# Altium PCB H3_PCB.PcbDoc (part 2 of 4)
Units mil, origin at the board's own origin, x right, y up, seen from the top; angles counter-clockwise.
Board outline 3705.03 x 2350.03 mil, 4 copper layers (Top Layer, PWR, GND, Bottom Layer), stack 30.634 mil thick; 137 components, 144 nets, 1001 pads, 675 vias.
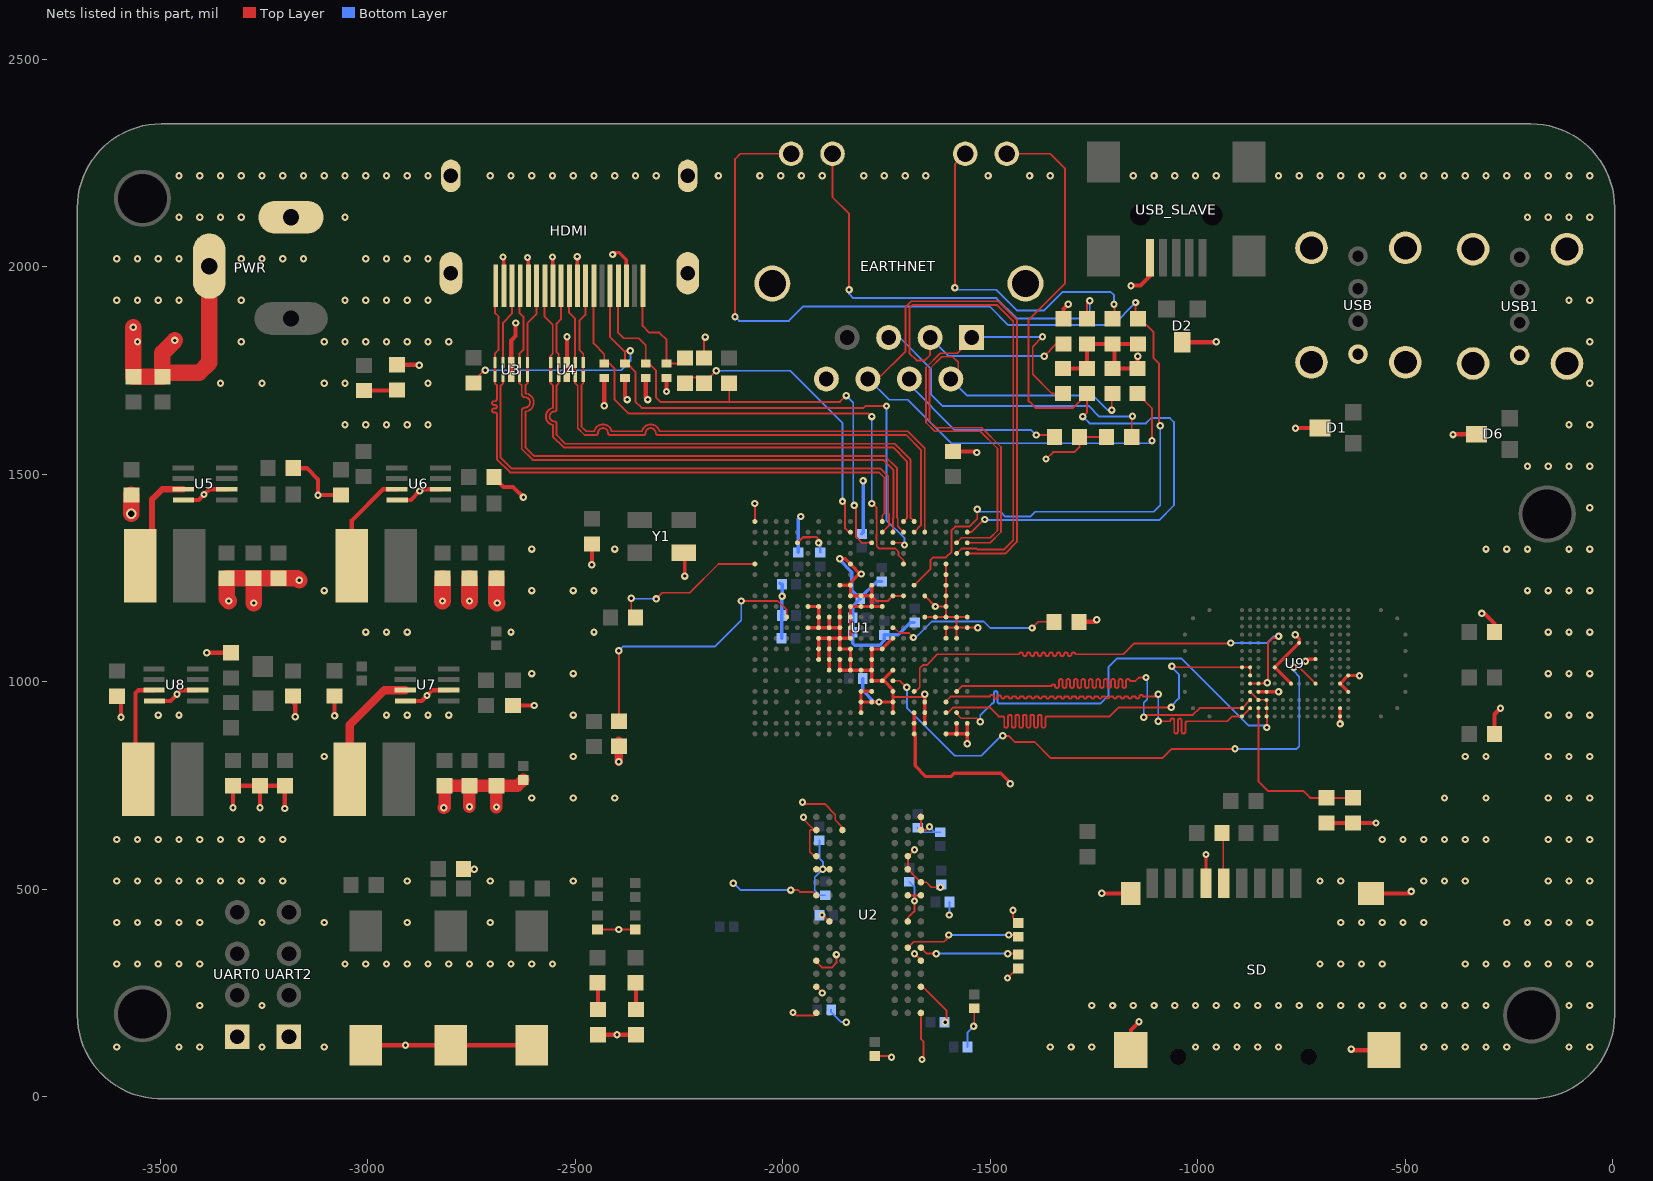
[diagram p4: the nets of this part, all layers, seen from the top]

## Via types
v1: diameter 17.72, hole 7.87, Top Layer to Bottom Layer, 671 vias
v2: diameter 25.59, hole 15.75, Top Layer to Bottom Layer, 4 vias

## Nets (pads, with @x,y where several pads share a name; then routed paths per layer and width w, separated by ;. In a path a pad name is that pad's centre, name@x,y a point inside that pad or via, vN(x,y) a via of type N, cw(c..) or ccw(c..) an arc to the next point about the centre after c; other vN are vias at no path point) (continued)
EMMC_DAT3: U1.C18 U9.H1 U9.J2 | length 1060.9
  Top Layer w3.5: U9.H1@-893,917 U9.J2@-873.3,936.7
  Top Layer w4.5: U1.C18@-1606.46,951.46 -1606.46,953.54 -1595.61,964.39 -1505,964.39 -1500.5,964.39 cw(c-1496.34,964.39) -1496.34,968.55 -1495.66,968.55 cw(c-1495.66,964.39) -1491.5,964.39 ccw(c-1487.07,964.39) -1487.07,959.96 -1486.93,959.96 ccw(c-1486.93,964.39) -1482.5,964.39 cw(c-1479.58,964.39) -1479.58,967.31 -1476.42,967.31 cw(c-1476.42,964.39) -1473.5,964.39 ccw(c-1469.07,964.39) -1469.07,959.96 -1468.93,959.96 ccw(c-1468.93,964.39) -1464.5,964.39 -1455.5,964.39 ccw(c-1451.07,964.39) -1451.07,959.96 -1450.93,959.96 ccw(c-1450.93,964.39) -1446.5,964.39 -1437.5,964.39 ccw(c-1433.07,964.39) -1433.07,959.96 -1432.93,959.96 ccw(c-1432.93,964.39) -1428.5,964.39 -1419.5,964.39 ccw(c-1415.07,964.39) -1415.07,959.96 -1414.93,959.96 ccw(c-1414.93,964.39) -1410.5,964.39 -1401.5,964.39 ccw(c-1397.07,964.39) -1397.07,959.96 -1396.93,959.96 ccw(c-1396.93,964.39) -1392.5,964.39 -1383.5,964.39 ccw(c-1379.07,964.39) -1379.07,959.96 -1378.93,959.96 ccw(c-1378.93,964.39) -1374.5,964.39 -1365.5,964.39 ccw(c-1361.07,964.39) -1361.07,959.96 -1360.93,959.96 ccw(c-1360.93,964.39) -1356.5,964.39 -1347.5,964.39 ccw(c-1343.07,964.39) -1343.07,959.96 -1342.93,959.96 ccw(c-1342.93,964.39) -1338.5,964.39 -1329.5,964.39 ccw(c-1325.07,964.39) -1325.07,959.96 -1324.93,959.96 ccw(c-1324.93,964.39) -1320.5,964.39 -1311.5,964.39 ccw(c-1307.07,964.39) -1307.07,959.96 -1306.93,959.96 ccw(c-1306.93,964.39) -1302.5,964.39 -1293.5,964.39 ccw(c-1289.07,964.39) -1289.07,959.96 -1288.93,959.96 ccw(c-1288.93,964.39) -1284.5,964.39 -1275.5,964.39 ccw(c-1271.07,964.39) -1271.07,959.96 -1270.93,959.96 ccw(c-1270.93,964.39) -1266.5,964.39 -1257.5,964.39 ccw(c-1253.07,964.39) -1253.07,959.96 -1252.93,959.96 ccw(c-1252.93,964.39) -1248.5,964.39 -1239.5,964.39 ccw(c-1235.07,964.39) -1235.07,959.96 -1234.93,959.96 ccw(c-1234.93,964.39) -1230.5,964.39 -1221.5,964.39 ccw(c-1217.07,964.39) -1217.07,959.96 -1216.93,959.96 ccw(c-1216.93,964.39) -1212.5,964.39 -1203.5,964.39 ccw(c-1199.07,964.39) -1199.07,959.96 -1198.93,959.96 ccw(c-1198.93,964.39) -1194.5,964.39 -1185.5,964.39 ccw(c-1181.07,964.39) -1181.07,959.96 -1180.93,959.96 ccw(c-1180.93,964.39) -1176.5,964.39 -1167.5,964.39 ccw(c-1163.07,964.39) -1163.07,959.96 -1162.93,959.96 ccw(c-1162.93,964.39) -1158.5,964.39 -1149.5,964.39 ccw(c-1145.07,964.39) -1145.07,959.96 -1144.93,959.96 ccw(c-1144.93,964.39) -1140.5,964.39 cw(c-1136.34,964.39) -1136.34,968.55 -1135.66,968.55 cw(c-1135.66,964.39) -1131.5,964.39 -1130,964.39 -1100.61,964.39 v1(-1095,970) ; v1(-1095,905) -1070,905 -1068.13,905 ccw(c-1068.13,907.63) -1065.5,907.63 cw(c-1061,907.63) -1061,912.13 cw(c-1061,907.63) -1056.5,907.63 -1056.5,905 -1056.5,880.05 ccw(c-1052,880.05) -1052,875.55 ccw(c-1052,880.05) -1047.5,880.05 -1047.5,905 -1047.5,907.08 cw(c-1043,907.08) -1043,911.58 cw(c-1043,907.08) -1038.5,907.08 -1038.5,905 -1038.5,880.05 ccw(c-1034,880.05) -1034,875.55 ccw(c-1034,880.05) -1029.5,880.05 -1029.5,900.5 cw(c-1025,900.5) -1025,905 -975,905 -928.9,905 -916.9,917 U9.H1@-893,917
  Bottom Layer w4.5: v1(-1095,905) v1(-1095,970)
EMMC_DAT4: U1.B17 U9.H2 U9.J3 | length 1181.7
  Top Layer w3.5: U9.H2@-893,936.7 U9.J3@-873.3,956.4
  Top Layer w4.5: U1.B17@-1580.87,977.05 -1568.22,989.71 -1356.9,989.71 -1352.4,989.71 cw(c-1348.35,989.71) -1348.35,993.76 -1347.46,993.76 cw(c-1347.46,989.71) -1343.4,989.71 ccw(c-1339.25,989.71) -1339.25,985.55 -1338.56,985.55 ccw(c-1338.56,989.71) -1334.4,989.71 -1334.4,1002.3 cw(c-1329.9,1002.3) -1329.9,1006.8 cw(c-1329.9,1002.3) -1325.4,1002.3 -1325.4,989.71 ccw(c-1321.25,989.71) -1321.25,985.55 -1320.56,985.55 ccw(c-1320.56,989.71) -1316.4,989.71 -1316.4,1002.3 cw(c-1311.9,1002.3) -1311.9,1006.8 cw(c-1311.9,1002.3) -1307.4,1002.3 -1307.4,989.71 ccw(c-1303.25,989.71) -1303.25,985.55 -1302.56,985.55 ccw(c-1302.56,989.71) -1298.4,989.71 -1298.4,1002.3 cw(c-1293.9,1002.3) -1293.9,1006.8 cw(c-1293.9,1002.3) -1289.4,1002.3 -1289.4,989.71 ccw(c-1285.25,989.71) -1285.25,985.55 -1284.56,985.55 ccw(c-1284.56,989.71) -1280.4,989.71 -1280.4,1002.3 cw(c-1275.9,1002.3) -1275.9,1006.8 cw(c-1275.9,1002.3) -1271.4,1002.3 -1271.4,989.71 ccw(c-1267.25,989.71) -1267.25,985.55 -1266.56,985.55 ccw(c-1266.56,989.71) -1262.4,989.71 -1262.4,1002.3 cw(c-1257.9,1002.3) -1257.9,1006.8 cw(c-1257.9,1002.3) -1253.4,1002.3 -1253.4,989.71 ccw(c-1249.25,989.71) -1249.25,985.55 -1248.56,985.55 ccw(c-1248.56,989.71) -1244.4,989.71 -1244.4,1002.3 cw(c-1239.9,1002.3) -1239.9,1006.8 cw(c-1239.9,1002.3) -1235.4,1002.3 -1235.4,989.71 ccw(c-1231.25,989.71) -1231.25,985.55 -1230.56,985.55 ccw(c-1230.56,989.71) -1226.4,989.71 -1226.4,1002.3 cw(c-1221.9,1002.3) -1221.9,1006.8 cw(c-1221.9,1002.3) -1217.4,1002.3 -1217.4,989.71 ccw(c-1213.25,989.71) -1213.25,985.55 -1212.56,985.55 ccw(c-1212.56,989.71) -1208.4,989.71 -1208.4,1002.3 cw(c-1203.9,1002.3) -1203.9,1006.8 cw(c-1203.9,1002.3) -1199.4,1002.3 -1199.4,989.71 ccw(c-1195.25,989.71) -1195.25,985.55 -1194.56,985.55 ccw(c-1194.56,989.71) -1190.4,989.71 -1190.4,1002.3 cw(c-1185.9,1002.3) -1185.9,1006.8 cw(c-1185.9,1002.3) -1181.4,1002.3 -1181.4,989.71 ccw(c-1177.25,989.71) -1177.25,985.55 -1176.56,985.55 ccw(c-1176.56,989.71) -1172.4,989.71 -1172.4,1002.3 cw(c-1167.9,1002.3) -1167.9,1006.8 cw(c-1167.9,1002.3) -1163.4,1002.3 -1149.75,1002.3 -1141.59,1010.45 v1(-1124.5,1010.45) ; v1(-1130,915) -1124.37,920.63 -1011.4,920.63 -995.33,936.7 U9.H2@-893,936.7
  Bottom Layer w4.5: v1(-1130,915) -1130,950 -1121.5,958.5 -1121.5,1007.45 v1(-1124.5,1010.45)
EMMC_DAT5: U1.B19 U9.J4 U9.K3 U9.L1 U9.L2 U9.L3 | length 1106.4
  Top Layer w3.5: U9.J4@-873.3,976.1 U9.K3@-853.6,956.4 U9.L3@-833.9,956.4 U9.L2@-833.9,936.7 U9.L1@-833.9,917
  Top Layer w4.5: U1.B19@-1580.87,925.87 -1580.87,923 -1570.31,912.44 -1550.24,912.44 -1550.2,912.4 -1532.69,912.4 v1(-1524,903.71) ; U9.L1@-833.9,917 -833.25,916.35 v1(-833.25,890)
  Bottom Layer w4.5: v1(-1524,903.71) -1524,919.39 -1495.66,947.73 ccw(c-1495.66,952.23) -1491.16,952.23 -1491.16,973.23 cw(c-1486.66,973.23) -1486.66,977.73 cw(c-1486.66,973.23) -1482.16,973.23 -1482.16,952.23 ccw(c-1477.66,952.23) -1477.66,947.73 -1304.5,947.73 -1234.44,947.73 -1215,967.17 -1215,1035 -1193.2,1056.8 -1039.44,1056.8 -877.64,895 -838.25,895 v1(-833.25,890)
EMMC_DAT6: U1.F17 U9.J5 U9.K5 | length 1208.4
  Top Layer w4.5: U1.F17@-1683.23,977.05 -1679.83,977.05 -1669.89,986.99 -1669.89,1033.17 -1662.67,1040.39 -1653.35,1040.39 -1627.26,1066.48 -1430,1066.48 cw(c-1425.5,1066.48) -1421,1066.48 ccw(c-1416.5,1066.48) -1412,1066.48 cw(c-1407.5,1066.48) -1403,1066.48 ccw(c-1398.5,1066.48) -1394,1066.48 cw(c-1389.5,1066.48) -1385,1066.48 ccw(c-1380.5,1066.48) -1376,1066.48 cw(c-1371.5,1066.48) -1367,1066.48 ccw(c-1362.5,1066.48) -1358,1066.48 cw(c-1353.5,1066.48) -1349,1066.48 ccw(c-1344.5,1066.48) -1340,1066.48 cw(c-1335.5,1066.48) -1331,1066.48 ccw(c-1326.5,1066.48) -1322,1066.48 cw(c-1317.5,1066.48) -1313,1066.48 ccw(c-1308.5,1066.48) -1304,1066.48 cw(c-1299.5,1066.48) -1295,1066.48 -1286,1066.48 -1277,1066.48 -1268,1066.48 -1259,1066.48 -1250,1066.48 -1241,1066.48 -1235,1066.48 -1179.55,1066.48 -1153.68,1092.35 -921.4,1092.35 v1(-920,1093.75) ; U9.J5@-873.3,995.8 U9.K5@-853.6,995.8 -834.2,995.8 v1(-832,998) -830,1000 -830,1094.17 -818.82,1105.35 -809.49,1105.35 v1(-804.86,1109.98)
  Bottom Layer w4.5: v1(-920,1093.75) -833.25,1093.75 -817.02,1109.98 v1(-804.86,1109.98)
EMMC_DAT7: U1.C19 U9.H7 U9.J6 U9.J7 | length 1213
  Top Layer w3.5: U9.H7@-893,1035.2 U9.J7@-873.3,1035.2 U9.J6@-873.3,1015.5
  Top Layer w4.5: U1.C19@-1606.46,925.87 -1602.2,925.87 -1589.55,938.53 -1501.2,938.53 -1479.58,916.9 -1475.08,916.9 -1470.58,916.9 cw(c-1470.58,912.4) -1466.08,912.4 -1466.08,893.84 ccw(c-1461.58,893.84) -1461.58,889.34 ccw(c-1461.58,893.84) -1457.08,893.84 -1457.08,916.9 cw(c-1453.67,916.9) -1453.67,920.31 -1451.49,920.31 cw(c-1451.49,916.9) -1448.08,916.9 -1448.08,893.84 ccw(c-1443.58,893.84) -1443.58,889.34 ccw(c-1443.58,893.84) -1439.08,893.84 -1439.08,916.9 cw(c-1435.67,916.9) -1435.67,920.31 -1433.49,920.31 cw(c-1433.49,916.9) -1430.08,916.9 -1430.08,893.84 ccw(c-1425.58,893.84) -1425.58,889.34 ccw(c-1425.58,893.84) -1421.08,893.84 -1421.08,916.9 cw(c-1417.67,916.9) -1417.67,920.31 -1415.49,920.31 cw(c-1415.49,916.9) -1412.08,916.9 -1412.08,893.84 ccw(c-1407.58,893.84) -1407.58,889.34 ccw(c-1407.58,893.84) -1403.08,893.84 -1403.08,916.9 cw(c-1399.67,916.9) -1399.67,920.31 -1397.49,920.31 cw(c-1397.49,916.9) -1394.08,916.9 -1394.08,893.84 ccw(c-1389.58,893.84) -1389.58,889.34 ccw(c-1389.58,893.84) -1385.08,893.84 -1385.08,916.9 cw(c-1381.67,916.9) -1381.67,920.31 -1379.49,920.31 cw(c-1379.49,916.9) -1376.08,916.9 -1376.08,893.84 ccw(c-1371.58,893.84) -1371.58,889.34 ccw(c-1371.58,893.84) -1367.08,893.84 -1367.08,912.4 cw(c-1362.58,912.4) -1362.58,916.9 -1250,916.9 -1212.13,916.9 -1190.51,938.53 v1(-1063.53,938.53) ; v1(-1062,1038) -1059.2,1035.2 U9.H7@-893,1035.2
  Bottom Layer w4.5: v1(-1063.53,938.53) -1063.53,941.47 -1045,960 -1045,1018.15 -1062,1035.15 v1(-1062,1038)
EMMC_RST: U1.H16 U9.U5 | length 1401.8
  Top Layer w4.5: U1.H16@-1734.41,1002.64 -1717.64,1002.64 -1701.99,986.99 v1(-1700.91,986.99) ; v1(-1470,870) -1455.31,870 -1440.4,855.09 -1392.59,855.09 -1354,816.5 -1085,816.5 -1062.95,838.55 v1(-910,838.55) ; v1(-768.6,1035.2) -755.2,1035.2 U9.U5@-715.8,995.8
  Bottom Layer w4.5: v1(-1700.91,986.99) -1700.91,938.11 -1585,822.2 -1585,822 -1521.64,822 -1473.64,870 v1(-1470,870) ; v1(-910,838.55) -761.45,838.55 -755,845 -755,1012.73 -768.6,1026.32 v1(-768.6,1035.2)
EMMC_VDDI: C50.1 C51.1 U9.K1 U9.K2 | length 421.4
  Top Layer w4.5: U9.K2@-853.6,936.7 U9.K1@-853.6,917 -853.6,760.42 -830.48,737.3 -745.56,737.3 -728.84,720.58 C50.1@-690,720.58 C51.1@-625,720.58
EPHY_LNK_LED: C27.1 EARTHNET.12 U1.F7 | length 2816.8
  Top Layer w4.5: v1(-2115,1880) -2115,2260 -2102.09,2272.91 EARTHNET.12@-1979.84,2272.91 ; U1.F7@-1683.23,1232.95 -1644.21,1271.98 -1644.21,1292.88 -1637.09,1300 -1606.87,1300 -1593.03,1313.84 -1593.03,1340.35 ; -1593.02,1340.35 -1593.02,1365.94 -1584.61,1374.35 -1550.23,1374.35 -1543.11,1381.47 -1543.11,1381.66 -1531.1,1393.67 v1(-1531.1,1416.1) ; v1(-1149.5,1914.45) -1150,1913.95 -1150,1861.73 -1124.84,1861.73 -1106.21,1843.1 -1106.21,1780 -1092.71,1766.5 v1@-1092.71,1617
  Bottom Layer w4.5: v1(-2115,1880) -2105,1870 -1985,1870 -1950,1905 -1501.66,1905 -1456.66,1860 -1203.95,1860 v1(-1149.5,1914.45) ; v1(-1531.1,1416.1) -1525,1410 -1475,1410 -1463.5,1398.5 -1403,1398.5 -1391.5,1410 -1106,1410 -1090,1426 v1(-1090,1617)
EPHY_RX_N: C22.1 EARTHNET.6 U1.A4 | length 2064.2
  Top Layer w4.5: EARTHNET.6@-1794.8,1730 -1770.85,1730 -1703.8,1797.05 -1703.8,1903.73 -1690.03,1917.5 -1480.58,1917.5 -1435.5,1872.42 -1435.5,1337.26 -1463.03,1309.72 U1.A4@-1555.27,1309.72 ; C22.1@-1145.07,1694.69 -1110,1659.62 v1(-1110,1581)
  Bottom Layer w4.5: EARTHNET.6@-1794.8,1730 -1793.63,1730 -1743.63,1680 -1699,1680 -1594,1575 -1116,1575 v1(-1110,1581)
EPHY_RX_P: C21.1 EARTHNET.3 U1.B4 | length 1514
  Top Layer w4.5: EARTHNET.3@-1644.8,1830 -1644.8,1787.84 -1657.64,1775 -1677.27,1775 -1694.8,1792.53 -1694.8,1900 -1686.3,1908.5 -1484.31,1908.5 -1444.5,1868.69 -1444.5,1340.98 -1466.12,1319.36 -1530.46,1319.36 -1532.98,1321.88 -1567.94,1321.88 -1580.09,1309.72 U1.B4@-1580.87,1309.72 ; v1(-1370,1785) -1340.31,1814.69 C21.1@-1323.34,1814.69
  Bottom Layer w4.5: EARTHNET.3@-1644.8,1830 -1599.8,1785 v1(-1370,1785)
EPHY_SPD_LED: C26.1 EARTHNET.9 U1.A2 | length 1937.8
  Top Layer w4.5: U1.A2@-1555.27,1360.9 -1545.39,1360.9 -1515,1391.29 v1(-1513.11,1391.29) ; EARTHNET.9@-1460.16,2272.91 -1355,2272.91 -1320,2237.91 -1320,1960.07 -1407.58,1872.49 -1407.58,1675 -1405,1675 -1390,1660 -1301.19,1660 C26.1@-1266.5,1694.69 -1266.5,1649.91 v1(-1277,1639.41)
  Bottom Layer w4.5: v1(-1513.11,1391.29) -1511.82,1390 -1093,1390 -1057,1426 -1057,1626 -1067,1636 -1111.41,1636 -1124.52,1622.89 -1260.48,1622.89 v1(-1277,1639.41)
EPHY_TX_N: C24.1 EARTHNET.2 U1.A3 | length 1214.2
  Top Layer w4: EARTHNET.2@-1594.8,1730 -1577.04,1747.77 -1577.04,1770 -1590.75,1783.72 -1616.65,1783.72 -1646.16,1754.2 -1646.16,1628.77 -1629.89,1612.5 -1520.48,1612.5 -1474,1566.02 -1474,1361.19 -1499.88,1335.31 U1.A3@-1555.27,1335.31
  Top Layer w4.5: v1(-1207,1655) -1207,1692.69 C24.1@-1205,1694.69
  Bottom Layer w4.5: EARTHNET.2@-1594.8,1730 -1594.71,1730 -1554.71,1690 -1251.17,1690 -1216.17,1655 v1(-1207,1655)
EPHY_TX_P: C23.1 EARTHNET.1 U1.B3 | length 1145.2
  Top Layer w4: U1.B3@-1580.87,1335.31 -1568.97,1347.22 -1500,1347.22 -1482.5,1364.72 -1482.5,1562.5 -1524,1604 -1633.41,1604 -1654.66,1625.25 -1654.66,1757.72 -1620.17,1792.22 -1579.13,1792.22 -1544.8,1826.54 EARTHNET.1@-1544.8,1830
  Top Layer w4.5: v1(-1374,1831.65) -1397.49,1808.16 -1397.49,1741.18 -1351,1694.69 C23.1@-1324,1694.69
  Bottom Layer w4.5: EARTHNET.1@-1544.8,1830 -1543.15,1831.65 v1(-1374,1831.65)
GND: C1.1 C3.1 C4.1 C5.1 C6.1 C7.1 C8.1 C9.1 C10.1 C11.1 C12.1 C13.1 C14.1 C15.1 C16.1 C17.1 C18.2 C19.1 C20.1 C21.2 C22.2 C23.2 C24.2 C25.1 C26.2 C27.2 C28.1 C29.1 C30.1 C31.1 C32.1 C33.1 C34.1 C35.1 C36.1 C37.1 C38.1 C39.1 C40.1 C41.1 C42.1 C43.1 C44.1 C45.1 C46.1 C47.1 C48.1 C49.1 C50.2 C51.2 C52.1 C53.1 C54.1 C55.1 C56.1 C57.1 C58.1 C59.1 C60.1 C61.1 D1.3 D2.3 D3.K D4.K D5.K D6.3 EARTHNET.8 EARTHNET.13 EARTHNET.14 ESD1.2 ESD2.2 ESD3.2 ESD4.2 HDMI.2 HDMI.5 HDMI.8 HDMI.11 HDMI.17 HDMI.20 HDMI.21 HDMI.22 HDMI.23 PWR.2 PWR.3 R1.1 R2.1 R4.2 R6.1 R13.2 R14.2 R16.2 R19.1 R26.2 R27.2 R31.2 R32.2 R34.2 R35.2 RCOV.2 RST.2 SD.6 SD.10 U1.A10 U1.A11 U1.A20 U1.A21 U1.AA1 U1.B10 U1.B11 U1.B12 U1.B20 U1.B21 U1.C5 U1.C6 U1.C7 U1.C8 U1.C9 U1.C10 U1.C11 U1.C12 U1.C21 U1.D10 U1.E8 U1.E10 U1.E18 U1.E19 U1.E20 U1.F19 U1.F20 U1.F21 U1.G8 U1.H8 U1.H12 U1.H15 U1.H17 U1.H18 U1.H19 U1.J9 U1.J13 U1.J16 U1.K7 U1.K8 U1.K9 U1.K13 U1.K14 U1.K15 U1.K16 U1.K17 U1.K18 U1.L8 U1.L9 U1.L15 U1.L17 U1.L18 U1.L19 U1.M5 U1.M7 U1.M8 U1.M9 U1.M10 U1.M11 U1.M12 U1.M13 U1.M14 U1.M15 U1.N7 U1.N9 U1.N10 U1.N11 U1.N12 U1.N13 U1.N14 U1.N15 U1.P10 U1.P11 U1.P12 U1.P13 U1.P14 U1.P15 U1.R9 U1.R10 U1.R11 U1.R12 U1.R13 U1.R14 U1.T9 U1.T11 U1.U3 U2.A9 U2.B1 U2.B3 U2.B9 U2.D1 U2.D8 U2.E1 U2.E2 U2.E8 U2.F9 U2.G1 U2.G8 U2.G9 U2.J2 U2.J8 U2.M1 U2.M9 U2.P1 U2.P9 U2.T1 U2.T9 U3.3 U3.8 U4.3 U4.8 U5.4 U5.6 U6.4 U6.6 U7.4 U7.6 U8.4 U8.6 U9.AA4 U9.AA6 U9.K4 U9.L4 U9.M7 U9.P5 U9.R10 U9.U8 U9.Y1 U9.Y2 U9.Y5 UART0.1 UART2.1 UBOOT.2 USB1.4 USB1.5 USB1.6 USB1.7 USB1.8 USB.4 USB.5 USB.6 USB.7 USB.8 USB_SLAVE.5 Y1.2 | length 12160.6
  Top Layer w4.5: R4.2@-2446.52,403.27 v1(-2395,403.27) C5.1@-2355,403.27 ; R19.1@-2190,1780.31 -2190,1828 v1(-2187,1831) ; v1(-1980.68,498.18) -1962.67,498.18 -1958.37,493.88 -1927.35,493.88 U2.G1@-1918.98,485.51 ; v1(-1975.16,203) -1968.38,196.23 -1924.8,196.23 U2.T1@-1918.98,202.05 ; v1(-1952.18,710.11) -1952.18,707 -1951.06,705.88 -1898.9,705.88 -1873.36,680.34 -1873.36,667.11 -1855.98,649.74 U2.B3@-1855.98,642.99 ; -1946.35,665.22 -1924.12,642.99 -1932.94,642.99 -1935,640.93 -1935,590.56 -1924.44,580 U2.D1@-1918.98,580 ; U2.P1@-1918.98,265.04 -1903.94,250 v1(-1905,250) ; U2.M1@-1918.98,328.03 -1918.98,325.57 -1905.4,312 -1881.17,312 -1870.61,322.56 v1(-1870.61,342.73) ; U2.E1@-1918.98,548.5 v1(-1903.23,548.5) U2.E2@-1887.48,548.5 ; v1(-1905.4,438.27) -1905.4,439.22 -1905,439.63 -1887.89,422.52 U2.J2@-1887.48,422.52 ; C1.1@-1778.5,98.27 -1740.65,98.27 v1(-1737.69,95.31) ; -1734.41,963 -1733.79,963.62 -1664.02,963.62 v1(-1657.64,970) ; U2.J8@-1698.5,422.52 -1698.5,431.18 -1682.76,446.92 -1682.76,485.51 ; U2.G8@-1698.5,485.51 -1682.76,485.51 ; v1(-1682.23,345) -1681.46,345 -1667.01,330.55 U2.M9@-1667.01,328.03 ; v1(-1682.27,595.5) -1697.77,580 U2.D8@-1698.5,580 U2.E8@-1698.5,548.5 U2.F9@-1667.01,517.01 -1653.51,517.01 -1641.5,505 v1(-1620,505) ; U2.T9@-1667.01,202.05 -1667.01,140.09 -1660.96,134.04 -1660.96,93.51 v1(-1664.46,90) ; U2.P9@-1667.01,265.04 -1663.02,265.04 -1605,207.02 -1605,183 v1(-1608,180) ; U2.G9@-1667.01,485.51 -1682.76,485.51 ; U2.A9@-1667.01,674.49 U2.B9@-1667.01,642.99 -1653.95,642.99 v1(-1646.16,650.78) ; v1(-1540,170) -1538.27,171.73 C9.1@-1538.27,213.27 ; v1(-1458.34,286.16) -1435.24,309.27 R2.1@-1432.5,309.27 ; v1(-1445,449.81) -1445,431.72 R1.1@-1432.5,419.22 ; v1(-1365.5,1537) -1348.5,1554 -1297.56,1554 -1284.69,1566.88 C61.1@-1284.69,1590 C19.1@-1219.31,1590
  Top Layer w5: U1.AA1@-2067.09,1386.5 v1(-2067.1,1430) ; U1.U3@-1964.36,1335.31 -1951.17,1348.5 -1933.99,1348.5 -1933.74,1348.75 -1918.93,1348.75 -1918.68,1348.5 -1918.5,1348.5 -1913.54,1343.54 v1(-1913.54,1335) ; U1.K8@-1785.59,1207.36 -1773.18,1194.96 -1746.81,1194.96 U1.H8@-1734.41,1207.36 U1.G8@-1708.82,1207.36 ; U1.E8@-1657.64,1207.36 v1(-1632.05,1181.77) U1.C9@-1606.46,1181.77 ; U1.E10@-1655,1158.82 U1.E10@-1657.64,1156.18 U1.D10@-1632.05,1156.18 U1.C10@-1606.46,1156.18 ; U1.C12@-1606.46,1105 U1.C11@-1606.46,1130.59 U1.B11@-1580.87,1130.59 ; U1.C5@-1606.46,1284.13 U1.C7@-1606.46,1232.95 U1.C9@-1606.46,1181.77 ; U1.B12@-1580.87,1105 U1.B11@-1580.87,1130.59 ; U1.A10@-1555.27,1156.18 U1.B10@-1580.87,1156.18 ; v1(-1530,1130.59) U1.B11@-1580.87,1130.59 ; U1.C10@-1606.46,1156.18 U1.C9@-1606.46,1181.77 ; U1.C10@-1606.46,1156.18 U1.B10@-1580.87,1156.18 ; U1.B11@-1580.87,1130.59 U1.B10@-1580.87,1156.18
  Top Layer w6: U1.U3@-1964.72,1335.31 U1.U3@-1964.36,1335.31
  Top Layer w8: C29.1@-2783.27,545 -2746.77,545 v1(-2743.27,548.5) ; v1(-2674,2024) -2672.5,2022.5 HDMI.2@-2672.5,1942.95 ; v1(-2615,2022.64) -2613.4,2021.04 HDMI.5@-2613.4,1942.95 ; v1(-2555,2024) -2554.4,2023.4 HDMI.8@-2554.4,1942.95 ; HDMI.11@-2495.3,1942.95 -2495.3,2024.7 v1(-2495,2025) ; v1(-2410,2030) -2410,2035 -2394.87,2035 -2377.2,2017.33 HDMI.17@-2377.2,1942.95 ; Y1.2@-2238.7,1311.26 -2235.97,1308.53 v1(-2235.97,1255) ; U1.T11@-1939.13,1130.59 U1.R11@-1913.54,1130.59 ; U1.T9@-1939.13,1181.77 U1.R9@-1913.54,1181.77 U1.R10@-1913.54,1156.18 U1.R11@-1913.54,1130.59 ; U1.R14@-1913.54,1053.82 U1.R13@-1913.54,1079.41 U1.R12@-1913.54,1105 U1.P12@-1887.95,1105 ; U1.P15@-1887.95,1028.23 U1.P14@-1887.95,1053.82 U1.P13@-1887.95,1079.41 U1.P12@-1887.95,1105 ; U1.P10@-1887.95,1156.18 U1.P11@-1887.95,1130.59 ; U1.N14@-1862.36,1053.82 U1.N15@-1862.36,1028.23 U1.M15@-1836.77,1028.23 ; U1.N9@-1862.36,1181.77 U1.N10@-1862.36,1156.18 U1.N11@-1862.36,1130.59 ; U1.N7@-1862.36,1232.95 U1.M7@-1836.77,1232.95 U1.M8@-1836.77,1207.36 U1.L8@-1811.18,1207.36 U1.K8@-1785.59,1207.36 ; v1(-1862.36,1296.64) -1849.28,1296.64 U1.M5@-1836.77,1284.13 -1812.64,1260 v1(-1810.61,1260) ; U1.M7@-1839.73,1235.91 v1@-1818.01,1257.64 ; U1.L19@-1811.18,925.87 U1.L17@-1811.18,977.05 U1.K17@-1785.59,977.05 ; U1.L18@-1811.18,951.46 U1.K18@-1785.59,951.46 v1(-1767.93,951.46) U1.H18@-1734.41,951.46 ; U1.K7@-1785.59,1232.95 U1.K8@-1785.59,1207.36 ; U1.J9@-1760,1181.77 U1.K9@-1785.59,1181.77 ; U1.J16@-1755.6,1002.64 -1734.41,981.45 U1.H17@-1734.41,977.05 -1734.41,963 U1.H18@-1734.41,951.46 ; U1.H19@-1734.41,925.87 U1.H18@-1734.41,951.46 ; U1.H15@-1734.41,1028.23 U1.J16@-1760,1002.64 U1.K16@-1785.59,1002.64 U1.K15@-1785.59,1028.23 ; U1.H12@-1734.41,1105 U1.J13@-1760,1079.41 U1.K13@-1785.59,1079.41 U1.K14@-1785.59,1053.82 U1.K15@-1785.59,1028.23 ; U1.F19@-1683.23,925.87 U1.F20@-1683.23,900.28 U1.F21@-1683.23,874.68 -1680.54,871.99 -1680.54,797.54 -1654.96,771.95 -1594.6,771.95 -1586.5,780.05 -1474.44,780.05 -1453.67,759.28 -1453.67,756.37 v1(-1451.49,754.19) ; U1.E20@-1657.64,900.28 U1.E19@-1657.64,925.87 U1.E18@-1657.64,951.46 v1(-1657.64,970) ; U1.C21@-1606.46,874.68 U1.B21@-1580.87,874.68 ; U1.B20@-1580.87,900.28 U1.B21@-1580.87,874.68 ; v1(-1555.27,851.15) U1.A21@-1555.27,874.68 ; U1.A20@-1555.27,900.28 U1.A21@-1555.27,874.68 ; v1(-980,583.99) -979.92,583.91 SD.6@-979.92,515 ; U9.K4@-853.6,976.1 U9.L4@-833.9,976.1 v1(-804.86,976.1) ; U9.P5@-774.8,995.8 U9.M7@-814.2,1035.2 U9.R10@-755.2,1094.2 -755.2,1104.1 v1(-765,1113.9) ; v1(-740,1050) -735.2,1054.8 U9.U8@-715.8,1054.8 ; v1(-656.7,898.77) U9.Y1@-656.7,917 U9.Y2@-656.7,936.7 ; U9.AA4@-637,976.1 U9.Y5@-656.7,995.8 U9.AA6@-637,1015.5 -610.55,1015.5 v1(-610,1014.95) ; U1.R11@-1913.54,1130.59 U1.P11@-1887.95,1130.59 ; U1.P12@-1887.95,1105 U1.N12@-1862.36,1105 ; U1.P11@-1887.95,1130.59 U1.N11@-1862.36,1130.59 ; U1.N12@-1862.36,1105 U1.N13@-1862.36,1079.41 U1.M13@-1836.77,1079.41 U1.M15@-1836.77,1028.23 ; U1.N12@-1862.36,1105 U1.M12@-1836.77,1105 U1.M10@-1836.77,1156.18 U1.M9@-1836.77,1181.77 U1.L9@-1811.18,1181.77 U1.K9@-1785.59,1181.77 ; U1.N12@-1862.36,1105 U1.N11@-1862.36,1130.59 ; U1.M15@-1836.77,1028.23 U1.L15@-1811.18,1028.23 U1.K15@-1785.59,1028.23 ; U1.K9@-1785.59,1181.77 U1.K8@-1785.59,1207.36 ; U1.B21@-1580.87,874.68 U1.A21@-1555.27,874.68
  Top Layer w10: v1(-3595,915) C45.1@-3595,966.09 ; U8.4@-3514,954.33 -3475.67,954.33 v1(-3460,970) -3450,980 U8.6@-3410,980 ; U5.4@-3444,1438.67 -3407.52,1438.67 v1(-3394.68,1451.5) -3381.85,1464.33 U5.6@-3340,1464.33 ; v1(-3388.46,1070) -3388.15,1070.32 R32.2@-3330,1070.32 ; v1(-3325,696.65) C46.1@-3325,749.69 C47.1@-3260,749.69 ; v1(-3260,696.65) C47.1@-3260,749.69 ; v1(-3200,695) C48.1@-3200,749.69 C47.1@-3260,749.69 ; C49.1@-3195,966.09 -3175,946.09 v1(-3175,916) ; R26.2@-3179.68,1515 -3146.73,1515 -3120,1488.27 v1(-3120,1450) -3119.58,1450.42 C37.1@-3065,1450.42 ; v1(-3080,918.27) C41.1@-3080,966.09 ; RCOV.2@-3005,124.41 v1(-2909,124.41) RST.2@-2800,124.41 UBOOT.2@-2605,124.41 ; D5.K@-2930,1764.31 -2877.31,1764.31 v1(-2876,1763) ; U6.4@-2929,1438.67 -2896.33,1438.67 v1(-2875,1460) -2870.67,1464.33 U6.6@-2825,1464.33 ; U7.4@-2909,954.33 -2870,954.33 v1(-2857.17,967.17) -2844.33,980 U7.6@-2805,980 ; R27.2@-2695.94,1493.27 -2672.67,1470 -2650,1470 v1(-2625,1445) ; U3.3@-2654.3,1735.6 U3.8@-2654.3,1770 -2654.3,1823 -2643.74,1833.56 v1(-2643.74,1865) ; R31.2@-2650,943.08 v1(-2599,943.08) ; v1(-2520,1831.65) v1(-2520,1831.65) U4.8@-2519.95,1770 U4.3@-2519.95,1735.6 ; v1(-2460,1282.27) C30.1@-2460,1332.69 ; D3.K@-2445,149.69 v1(-2399.24,149.69) D4.K@-2353.48,149.69 ; v1(-2430,1665.2) ESD4.2@-2430,1732.3 ; ESD3.2@-2380,1732.3 -2380,1685.3 v1(-2375,1680.3) ; ESD2.2@-2330,1732.3 -2330,1685.3 v1(-2325,1680.3) ; v1(-2280,1700) ESD1.2@-2280,1732.3 ; R16.2@-1590,1555.32 -1535.01,1555.32 v1(-1532.69,1553) ; C23.2@-1324,1755.31 C26.2@-1266.5,1755.31 R14.2@-1266.5,1814.68 R13.2@-1205,1814.68 R13.2@-1200,1814.68 ; C21.2@-1323.34,1875.31 -1323.34,1898.56 v1(-1311.9,1910) ; C18.2@-1285.68,1144.89 -1248.11,1144.89 v1(-1243,1150) ; v1(-1231.25,490.31) SD.10@-1161.02,490.31 ; C24.2@-1205,1755.31 C24.2@-1200,1755.31 ; SD.10@-1161.02,112.36 -1161.02,160.95 v1(-1141.33,180.65) ; v1(-1160.66,1955) -1137.65,1955 -1114.6,1978.05 USB_SLAVE.5@-1114.6,2022.64 ; C27.2@-1145.07,1813.7 -1146.06,1814.68 R13.2@-1200,1814.68 ; v1(-1144.08,1784.71) -1145.07,1783.72 C22.2@-1145.07,1755.31 C24.2@-1200,1755.31 ; D2.3@-1037,1818.73 -956.27,1818.73 v1(-955,1820) ; v1(-764,1611) -763.2,1611.8 D1.3@-705,1611.8 ; C50.2@-682.27,660 v1(-570,660) ; v1(-630,115) -627.36,112.36 SD.10@-550.79,112.36 ; SD.10@-582.28,490.31 -485,490.31 v1(-485,495) ; v1(-384.55,1596) -383.55,1597 D6.3@-328,1597 ; v1(-315,1165) -308.82,1165 -284.68,1140.87 R35.2@-284.68,1120 ; R34.2@-284.68,874.68 -284.68,922.02 v1(-270,936.7) ; C24.2@-1200,1755.31 R13.2@-1200,1814.68
  Top Layer w20: v1(-2395,807.21) R6.1@-2395,844.69 R6.1@-2395,858.27
  Top Layer w30: v1(-2816.73,696.65) -2815,698.39 C42.1@-2815,749.69 C43.1@-2755,749.69 ; v1(-2755,698.81) C43.1@-2755,749.69 ; v1(-2690,698.39) C44.1@-2690,749.69 ; C28.1@-2625,763.88 -2639.19,749.69 C44.1@-2690,749.69 ; C43.1@-2755,749.69 C44.1@-2690,749.69
  Top Layer w40: v2(-3570,1405) C33.1@-3570,1450.42 ; v1(-3565,1855) C32.1@-3565,1735.32 C31.1@-3495,1735.32 C31.1@-3495,1745 ; v1(-3465,1823) -3495,1793 C31.1@-3495,1745 ; PWR.3@-3381.85,2001.89 -3381.85,1769.3 -3406.15,1745 C31.1@-3495,1745 ; v1(-3335,1195) -3340,1200 C34.1@-3340,1249.69 C35.1@-3275,1249.69 ; v1(-3275,1190) C35.1@-3275,1249.69 ; v1(-3165,1245) -3169.69,1249.69 C36.1@-3215,1249.69 C35.1@-3275,1249.69 ; v1(-2820,1195) C38.1@-2820,1249.69 ; v1(-2755,1194.96) C39.1@-2755,1249.69 ; C40.1@-2690,1249.69 -2690,1191.73 v1(-2688.27,1190)
  Bottom Layer w4.5: v1(-2119,515) -2117.72,515 -2100.89,498.18 v1(-1980.68,498.18) ; v1@-1953.47,708.82 v1(-1952.18,710.11) ; C16.1@-1911.54,437.39 -1910.66,438.27 v1(-1905.4,438.27) ; C6.1@-1911.54,618.27 -1911.54,574.79 -1903.23,566.48 v1(-1903.23,548.5) -1922.7,529.03 -1922.7,498.18 -1910.15,485.63 C12.1@-1897.37,485.63 ; C15.1@-1883.27,210 -1883.27,204.01 -1859.26,180 v1(-1847,180) ; C8.1@-1695,518.27 -1682.27,505.54 v1(-1682.27,472.07) ; C11.1@-1675,648.27 -1664.46,637.73 -1633.11,637.73 ; v1(-1646.16,650.78) -1633.11,637.73 ; C10.1@-1620,637.73 -1633.11,637.73 ; C4.1@-1610.27,180 v1(-1608,180) ; v1(-1598.73,438.27) -1598.27,438.73 C7.1@-1598.27,469.61 ; C17.1@-1554.54,120 -1554.54,155.46 v1(-1540,170)
  Bottom Layer w5: v1(-1913.54,1335) -1909.62,1331.08 C60.1@-1909.62,1311.73 ; v1@-1864,1295 v1(-1862.36,1296.64)
  Bottom Layer w8: C59.1@-2007.14,1238.27 C59.1@-2002.67,1233.8 ; C14.1@-2002.67,1104.79 v1@-2002.67,1206.2 ; v1(-2001.47,1206.2) C59.1@-2001.47,1235 ; C58.1@-1962.25,1311.73 -1962.25,1392.85 v1(-1956.6,1398.5) ; v1@-1864,1295 -1833.49,1264.49 -1833.49,1220.25 C54.1@-1813.23,1200 ; C52.1@-1809.5,1356.73 -1806.29,1359.94 v1(-1806.29,1485) ; C13.1@-1807.1,1008.27 -1807.1,979.6 -1778.96,951.46 v1(-1767.93,951.46) ; C25.1@-1761.64,1241.81 -1773.88,1241.81 -1813.23,1202.46 C54.1@-1813.23,1200 ; C20.1@-1682.23,1143.27 -1691.73,1143.27 -1721.73,1113.27 C55.1@-1755,1113.27 -1755,1100.39 -1766.74,1088.65 -1827.02,1088.65 -1831.23,1092.86 C56.1@-1831.23,1120 C53.1@-1831.23,1155 -1831.23,1182 C54.1@-1813.23,1200
  other v1: -3605,120 -3455,120 -3405,120 -3255,120 -3105,120 -1355,120 -1305,120 -1255,120 -1005,120 -955,120 -905,120 -855,120 -805,120 -455,120 -405,120 -355,120 -305,120 -255,120 -105,120 -55,120 -3405,220 -3255,220 -1255,220 -1205,220 -1155,220 -1105,220 -1055,220 -1005,220 -955,220 -905,220 -855,220 -805,220 -755,220 -705,220 -655,220 -605,220 -555,220 -505,220 -455,220 -405,220 -355,220 -305,220 -105,220 -55,220 -3605,320 -3555,320 -3505,320 -3455,320 -3405,320 -3055,320 -3005,320 -2955,320 -2905,320 -2855,320 -2805,320 -2755,320 -2705,320 -2655,320 -2605,320 -2555,320 -705,320 -655,320 -605,320 -555,320 -355,320 -305,320 -255,320 -205,320 -155,320 -105,320 -55,320 -3605,420 -3555,420 -3505,420 -3455,420 -3405,420 -3255,420 -3105,420 -2905,420 -2705,420 -655,420 -605,420 -555,420 -505,420 -455,420 -255,420 -205,420 -155,420 -105,420 -55,420 -3605,520 -3555,520 -3505,520 -3455,520 -3405,520 -3355,520 -3305,520 -3255,520 -3205,520 -2905,520 -2705,520 -2505,520 -705,520 -655,520 -455,520 -405,520 -355,520 -155,520 -105,520 -55,520 -3605,620 -3555,620 -3505,620 -3455,620 -3405,620 -3355,620 -3305,620 -3255,620 -3205,620 -555,620 -505,620 -455,620 -405,620 -355,620 -305,620 -155,620 -105,620 -55,620 -1949.96,673.98 -2605,720 -2505,720 -2405,720 -405,720 -305,720 -155,720 -105,720 -55,720 -3105,820 -2505,820 -355,820 -305,820 -155,820 -105,820 -55,820 -3505,920 -3455,920 -2955,920 -2905,920 -2855,920 -2805,920 -2505,920 -155,920 -105,920 -55,920 -2605,1020 -2505,1020 -155,1020 -105,1020 -55,1020 -3005,1120 -2955,1120 -2905,1120 -2655,1120 -2455,1120 -155,1120 -105,1120 -55,1120 -3105,1220 -2605,1220 -2505,1220 -2455,1220 -205,1220 -155,1220 -105,1220 -55,1220 -2605,1320 -2405,1320 -305,1320 -255,1320 -205,1320 -105,1320 -55,1320 -55,1420 -205,1520 -155,1520 -105,1520 -55,1520 -3055,1620 -3005,1620 -2955,1620 -2905,1620 -2855,1620 -105,1620 -55,1620 -3355,1720 -3255,1720 -3105,1720 -3055,1720 -2855,1720 -55,1720 -3555,1820 -3305,1820 -3105,1820 -3055,1820 -3005,1820 -2955,1820 -2905,1820 -2855,1820 -2805,1820 -55,1820 -3605,1920 -3555,1920 -3505,1920 -3455,1920 -3305,1920 -3055,1920 -3005,1920 -2955,1920 -2905,1920 -2855,1920 -105,1920 -55,1920 -3605,2020 -3555,2020 -3505,2020 -3455,2020 -3305,2020 -3255,2020 -3205,2020 -3155,2020 -3005,2020 -2955,2020 -2905,2020 -2855,2020 -3455,2120 -3405,2120 -3355,2120 -3305,2120 -3055,2120 -205,2120 -155,2120 -105,2120 -55,2120 -3455,2220 -3405,2220 -3355,2220 -3305,2220 -3255,2220 -3205,2220 -3155,2220 -3105,2220 -3055,2220 -3005,2220 -2955,2220 -2905,2220 -2855,2220 -2705,2220 -2655,2220 -2605,2220 -2555,2220 -2505,2220 -2455,2220 -2405,2220 -2355,2220 -2305,2220 -2155,2220 -2055,2220 -2005,2220 -1955,2220 -1905,2220 -1805,2220 -1755,2220 -1705,2220 -1655,2220 -1505,2220 -1405,2220 -1355,2220 -1155,2220 -1105,2220 -1055,2220 -1005,2220 -955,2220 -805,2220 -755,2220 -705,2220 -655,2220 -605,2220 -555,2220 -505,2220 -455,2220 -405,2220 -355,2220 -305,2220 -255,2220 -205,2220 -155,2220 -105,2220 -55,2220
HCEC: ESD4.1 HDMI.13 U1.G5 | length 1338.4
  Top Layer w4.5: HDMI.13@-2455.9,1942.95 -2455.9,1815.9 -2430,1790 ESD4.1@-2430,1767.7 -2417.7,1767.7 -2405,1755 -2405,1680.1 -2371.4,1646.5 -1792.68,1646.5 v1(-1785.59,1639.41) ; v1(-1785.59,1430) -1783.97,1430 -1773.75,1419.79 -1773.75,1392.17 -1773.44,1391.85 -1773.44,1355.87 -1773.75,1355.55 -1773.75,1340.98 -1773.43,1340.66 -1773.43,1327.21 -1768.1,1321.88 -1733.53,1321.88 ; -1733.52,1321.88 -1729.38,1321.88 -1720.97,1313.47 -1720.97,1304.69 -1708.82,1292.53 U1.G5@-1708.82,1284.13
  Bottom Layer w4.5: v1(-1785.59,1430) v1(-1785.59,1639.41)
HHPD: R18.1 R19.2 U1.M2 | length 711.6
  Top Layer w4.5: R18.1@-2235,1733.27 -2176.73,1733.27 v1(-2160,1750) ; v1(-1856,1435) -1849.81,1428.81 -1849.81,1369.77 -1840.94,1360.9 U1.M2@-1836.77,1360.9
  Bottom Layer w4.5: v1(-2160,1750) -1982,1750 -1856,1624 v1(-1856,1435)
HSCL: ESD3.1 HDMI.15 R39.2 U1.H3 | length 1733.7
  Top Layer w4.5: R39.2@-2745,1720.68 -2745,1725 -2718.94,1751.06 v1(-2716.73,1751.06) ; HDMI.15@-2416.6,1942.95 -2416.6,1831.6 -2380,1795 ; v1(-2367.37,1798.37) -2376.63,1798.37 -2380,1795 ; v1(-1750,1665) -1800.22,1665 -1804.95,1660.27 -2340.27,1660.27 -2355,1675 -2355,1747.5 -2375.2,1767.7 ESD3.1@-2380,1767.7 -2380,1795 ; U1.H3@-1734.41,1335.31 -1711.78,1335.31 v1@-1706.84,1330.38
  Bottom Layer w4.5: v1(-2716.73,1751.06) -2389.41,1751.06 -2367,1773.47 -2367,1798.37 v1(-2367.37,1798.37) ; v1(-1750,1665) -1750,1390 -1706.47,1346.47 v1(-1706.47,1330)
HSDA: ESD2.1 HDMI.16 R38.2 U1.K3 | length 1228
  Top Layer w4.5: HDMI.16@-2396.9,1942.95 -2396.9,1841.9 -2383.27,1828.27 -2347.37,1828.27 -2330,1810.9 ESD2.1@-2330,1767.7 -2322.7,1767.7 -2305,1750 -2305,1685 -2294.69,1674.69 -2129,1674.69 ; R38.2@-2129,1719.68 -2129,1674.69 ; v1(-1847,1690) -1862.31,1674.69 -2129,1674.69 ; v1(-1827.77,1425.32) -1823.33,1420.88 -1823.33,1349.44 -1809.21,1335.31 U1.K3@-1785.59,1335.31
  Bottom Layer w4.5: v1(-1847,1690) -1830,1673 v1@-1830,1425.32
HTX0_N: HDMI.9 U1.F1 U4.2 U4.9 | length 1406.1
  Top Layer w4.5: HDMI.9@-2534.7,1942.95 -2534.7,1873.78 -2545,1863.48 -2545,1795 -2539.65,1789.65 U4.9@-2539.65,1770 U4.2@-2539.65,1735.6 -2539.65,1720.05 -2545,1714.7 -2545,1700.62 -2545,1656.5 cw(c-2549.5,1656.5) -2549.5,1652 ccw(c-2549.5,1639.75) -2549.5,1627.5 cw(c-2549.5,1623) -2545,1623 -2545,1595 -2524,1574 -1730.38,1574 -1691.91,1535.54 -1691.91,1395.18 U1.F1@-1683.23,1386.5
HTX0_P: HDMI.7 U1.G1 U4.1 U4.10 | length 1406.6
  Top Layer w4.5: HDMI.7@-2574.1,1942.95 -2574.1,1880.1 -2554.4,1860.4 -2554.4,1790.9 -2559.35,1785.95 U4.10@-2559.35,1770 U4.1@-2559.35,1735.6 -2559.35,1720.05 -2554,1714.7 -2554,1700.62 -2554,1660.52 ccw(c-2549.5,1639.75) -2554,1618.98 -2554,1591.27 -2527.73,1565 -1734.1,1565 -1700.91,1531.81 -1700.91,1394.41 U1.G1@-1708.82,1386.5
HTX1_N: HDMI.6 U1.G2 U3.5 U3.6 | length 1487.1
  Top Layer w4.5: HDMI.6@-2593.7,1942.95 -2593.7,1886.3 -2615,1865 U3.6@-2615,1770 U3.5@-2615,1735.6 -2615,1720.05 -2620,1715.05 -2620,1695.18 cw(c-2621.75,1673.5) -2600,1673.5 cw(c-2621.75,1673.5) -2620,1651.82 -2620,1565 -2599,1544 -1753.54,1544 -1724.16,1514.62 -1724.16,1396.25 -1722.92,1395 -1722.92,1375 U1.G2@-1708.82,1360.9
HTX1_P: HDMI.4 U1.H2 U3.4 U3.7 | length 1482.6
  Top Layer w4.5: HDMI.4@-2633.1,1942.95 -2634.6,1941.45 -2634.6,1890 -2625,1880.4 -2625,1800 -2634.6,1790.4 U3.7@-2634.6,1770 U3.4@-2634.6,1735.6 -2634.6,1720.05 -2629,1714.45 -2629,1693.5 ccw(c-2621.75,1693.5) -2621.75,1686.25 cw(c-2621.75,1673.5) -2609,1673.5 cw(c-2621.75,1673.5) -2621.75,1660.75 ccw(c-2621.75,1653.5) -2629,1653.5 -2629,1561.27 -2602.73,1535 -1757.27,1535 -1733.16,1510.89 -1733.16,1396.25 -1734.41,1395 U1.H2@-1734.41,1360.9
HTX2_N: HDMI.3 U1.J2 U3.2 U3.9 | length 1508.5
  Top Layer w4.5: HDMI.3@-2652.8,1942.95 -2652.8,1887.2 -2674,1866 U3.9@-2674,1770 U3.2@-2674,1735.6 -2674,1720.05 -2680,1714.05 -2680,1540.54 -2653.46,1514 -1764.24,1514 -1745.7,1495.46 -1745.7,1406.3 -1744.05,1404.66 -1744.05,1376.85 U1.J2@-1760,1360.9
HTX2_P: HDMI.1 U1.J1 U3.1 U3.10 | length 1507.6
  Top Layer w4.5: HDMI.1@-2692.2,1942.95 -2693.7,1941.45 -2693.7,1890 -2685,1881.3 -2685,1800 -2693.7,1791.3 U3.10@-2693.7,1770 U3.1@-2693.7,1735.6 -2693.7,1720.05 -2689,1715.35 -2689,1690 -2689,1685.5 -2689,1681 cw(c-2693.5,1681) -2693.5,1676.5 -2696.17,1676.5 ccw(c-2696.17,1672) -2700.67,1672 ccw(c-2696.17,1672) -2696.17,1667.5 -2693.5,1667.5 cw(c-2693.5,1663) -2689,1663 cw(c-2693.5,1663) -2693.5,1658.5 -2696.17,1658.5 ccw(c-2696.17,1654) -2700.67,1654 ccw(c-2696.17,1654) -2696.17,1649.5 -2693.5,1649.5 cw(c-2693.5,1645) -2689,1645 -2689,1630.27 -2689,1536.81 -2657.19,1505 -1767.96,1505 -1754.7,1491.73 -1754.7,1406.3 -1760,1401 U1.J1@-1760,1386.5
HTXC_N: HDMI.12 U1.E2 U4.5 U4.6 | length 1422.8
  Top Layer w4.5: HDMI.12@-2475.6,1942.95 -2475.6,1884.65 -2490,1870.25 -2490,1800 -2480.65,1790.65 U4.6@-2480.65,1770 U4.5@-2480.65,1735.6 -2480.65,1720.05 -2485,1715.7 -2485,1615 -2474,1604 -2454.02,1604 cw(c-2433.25,1599.5) -2412.48,1604 -2339.02,1604 cw(c-2318.25,1599.5) -2297.48,1604 -1698.73,1604 -1657.76,1563.03 -1657.76,1418.27 -1657.64,1418.15 U1.E2@-1657.64,1360.9
HTXC_P: HDMI.10 U1.F2 U4.4 U4.7 | length 1432.4
  Top Layer w4.5: HDMI.10@-2515,1942.95 -2515,1890 -2500.25,1875.25 U4.7@-2500.25,1770 U4.4@-2500.25,1735.6 -2500.25,1720.05 -2494,1713.8 -2494,1611.27 -2477.73,1595 -2450,1595 ccw(c-2450,1599.5) -2445.5,1599.5 cw(c-2433.25,1599.5) -2421,1599.5 ccw(c-2416.5,1599.5) -2416.5,1595 -2335,1595 ccw(c-2335,1599.5) -2330.5,1599.5 cw(c-2318.25,1599.5) -2306,1599.5 ccw(c-2301.5,1599.5) -2301.5,1595 -1702.46,1595 -1667.03,1559.57 -1667.03,1377.1 U1.F2@-1683.23,1360.9
KEYADC: R15.2 U1.AA5 | length 380.3
  Top Layer w4: v1(-2365,1201.73) -2364.68,1201.42 R15.2@-2364.68,1155 ; v1(-2305,1200) -2290,1215 -2224.04,1215 -2154.91,1284.13 U1.AA5@-2067.09,1284.13
  Bottom Layer w4: v1(-2365,1201.73) -2363.27,1200 v1(-2305,1200)
NetC18_1: C18.1 U1.H11 | length 431.7
  Top Layer w4: U1.H11@-1734.41,1130.59 -1731.65,1130.59 -1718.72,1117.66 -1695.66,1117.66 v1(-1685,1107) ; v1(-1399,1130) -1384,1145 C18.1@-1340.97,1145
  Bottom Layer w4: v1(-1685,1107) -1679.66,1107 -1641.21,1145.45 -1515.36,1145.45 -1499.91,1130 v1(-1399,1130)
NetC19_2: C19.2 EARTHNET.5 | length 756.4
  Top Layer w4.5: C19.2@-1158.69,1587 C19.2@-1158.69,1590 -1158.69,1638.31 v1(-1157,1640)
  Bottom Layer w4.5: EARTHNET.5@-1744.8,1830 -1718.36,1830 -1643,1754.64 -1643,1693 -1615,1665 -1263,1665 -1237.89,1639.89 -1157.11,1639.89 v1(-1157,1640)
NetC61_2: C61.2 EARTHNET.4 | length 415.2
  Top Layer w4.5: v1(-1389,1595) -1350.31,1595 C61.2@-1345.31,1590
  Bottom Layer w4.5: EARTHNET.4@-1694.8,1730 -1694.8,1716.8 -1585,1607 -1401,1607 v1(-1389,1595)
NetD3_A: D3.A R20.2 | length 78.6
  Top Layer w10: R20.2@-2446.52,288.27 -2445,286.75 D3.A@-2445,210.32
NetD4_A: D4.A R21.2 | length 78.6
  Top Layer w10: R21.2@-2355,288.27 -2353.48,286.75 D4.A@-2353.48,210.32
NetD5_A: D5.A R37.2 | length 79.7
  Top Layer w10: R37.2@-3009,1702 -2931.68,1702 D5.A@-2930,1703.68
NetEARTHNET_10: EARTHNET.10 R13.1 | length 832.1
  Top Layer w4.5: v1(-1585,1950) -1585,2247.91 EARTHNET.10@-1560,2272.91 ; v1(-1201.5,1910) -1200,1908.5 R13.1@-1200,1861.73
  Bottom Layer w4.5: v1(-1585,1950) -1580,1945 -1485,1945 -1435,1895 -1370.35,1895 -1325.35,1940 -1210,1940 -1201.5,1931.5 v1(-1201.5,1910)
NetEARTHNET_11: EARTHNET.11 R14.1 | length 1038.9
  Top Layer w4.5: EARTHNET.11@-1880,2272.91 -1880,2167.98 -1840,2127.98 v1(-1840,1945) ; R14.1@-1266.5,1875.31 -1266.5,1911.85 v1(-1260,1918.35)
  Bottom Layer w4.5: v1(-1840,1945) -1840,1935 -1830,1925 -1485,1925 -1435.91,1875.91 -1274.09,1875.91 -1260,1890 v1(-1260,1918.35)
NetESD1_1: ESD1.1 HDMI.19 R18.2 | length 258.9
  Top Layer w4.5: HDMI.19@-2337.8,1942.95 -2337.8,1857.8 -2321.9,1841.9 -2297.4,1841.9 -2280,1824.5 ESD1.1@-2280,1767.7 -2235.97,1767.7 R18.2@-2235,1766.73
NetL1_2: L1.2 U5.3 | length 256.9
  Top Layer w15: L1.2@-3548.58,1280 -3520,1308.58 -3520,1440 -3495.67,1464.33 U5.3@-3445,1464.33
NetL2_2: L2.2 U6.3 | length 248.9
  Top Layer w10: L2.2@-3038.58,1356 -3038.58,1389.16 -2963.4,1464.33 U6.3@-2930,1464.33
  Top Layer w20: L2.2@-3038.58,1280 L2.2@-3038.58,1356
NetL3_2: L3.2 U7.3 | length 299.6
  Top Layer w20: L3.2@-3043.58,765 -3043.58,896.42 -2960,980 U7.3@-2910,980
NetL4_2: L4.2 U8.3 | length 258.5
  Top Layer w10: L4.2@-3553.58,765 -3560,771.42 -3560,972.89 -3552.89,980 U8.3@-3515,980
NetR1_2: R1.2 U2.L8 | length 283.3
  Top Layer w4.5: U2.L8@-1698.5,359.53 -1684.38,373.65 -1611.35,373.65 -1605,380 -1605,385 v1(-1600,390) ; v1(-1455.39,390) -1436.74,390 R1.2@-1432.5,385.76
  Bottom Layer w4.5: v1(-1600,390) v1(-1455.39,390)
NetR2_2: R2.2 U2.L9 | length 241.6
  Top Layer w4.5: U2.L9@-1667.01,359.53 -1652.48,345 v1(-1630,345) ; v1(-1457.66,345) -1434.77,345 R2.2@-1432.5,342.73
  Bottom Layer w4.5: v1(-1630,345) -1629.89,345.11 -1528.74,345.11 -1528.63,345 v1(-1457.66,345)
NetR6_2: R6.2 U1.V10 | length 691.2
  Top Layer w4.5: R6.2@-2395,891.73 R6.2@-2395,905.32 v1(-2395,1075) ; v1(-2100,1195) v1(-2100,1195) -2011.9,1194.96 -1990.31,1173.37 U1.V10@-1990.31,1156.18
  Bottom Layer w4.5: v1(-2395,1075) -2385,1085 -2163.27,1085 -2100,1148.27 v1(-2100,1195)
NetR9_1: R9.1 SD.5 | length 121.7
  Top Layer w4.5: R9.1@-938.27,636 -938.27,516.65 SD.5@-936.61,515